# Allegro board C000PD020-3399PRO-DMEB-A-A01.brd (continued)
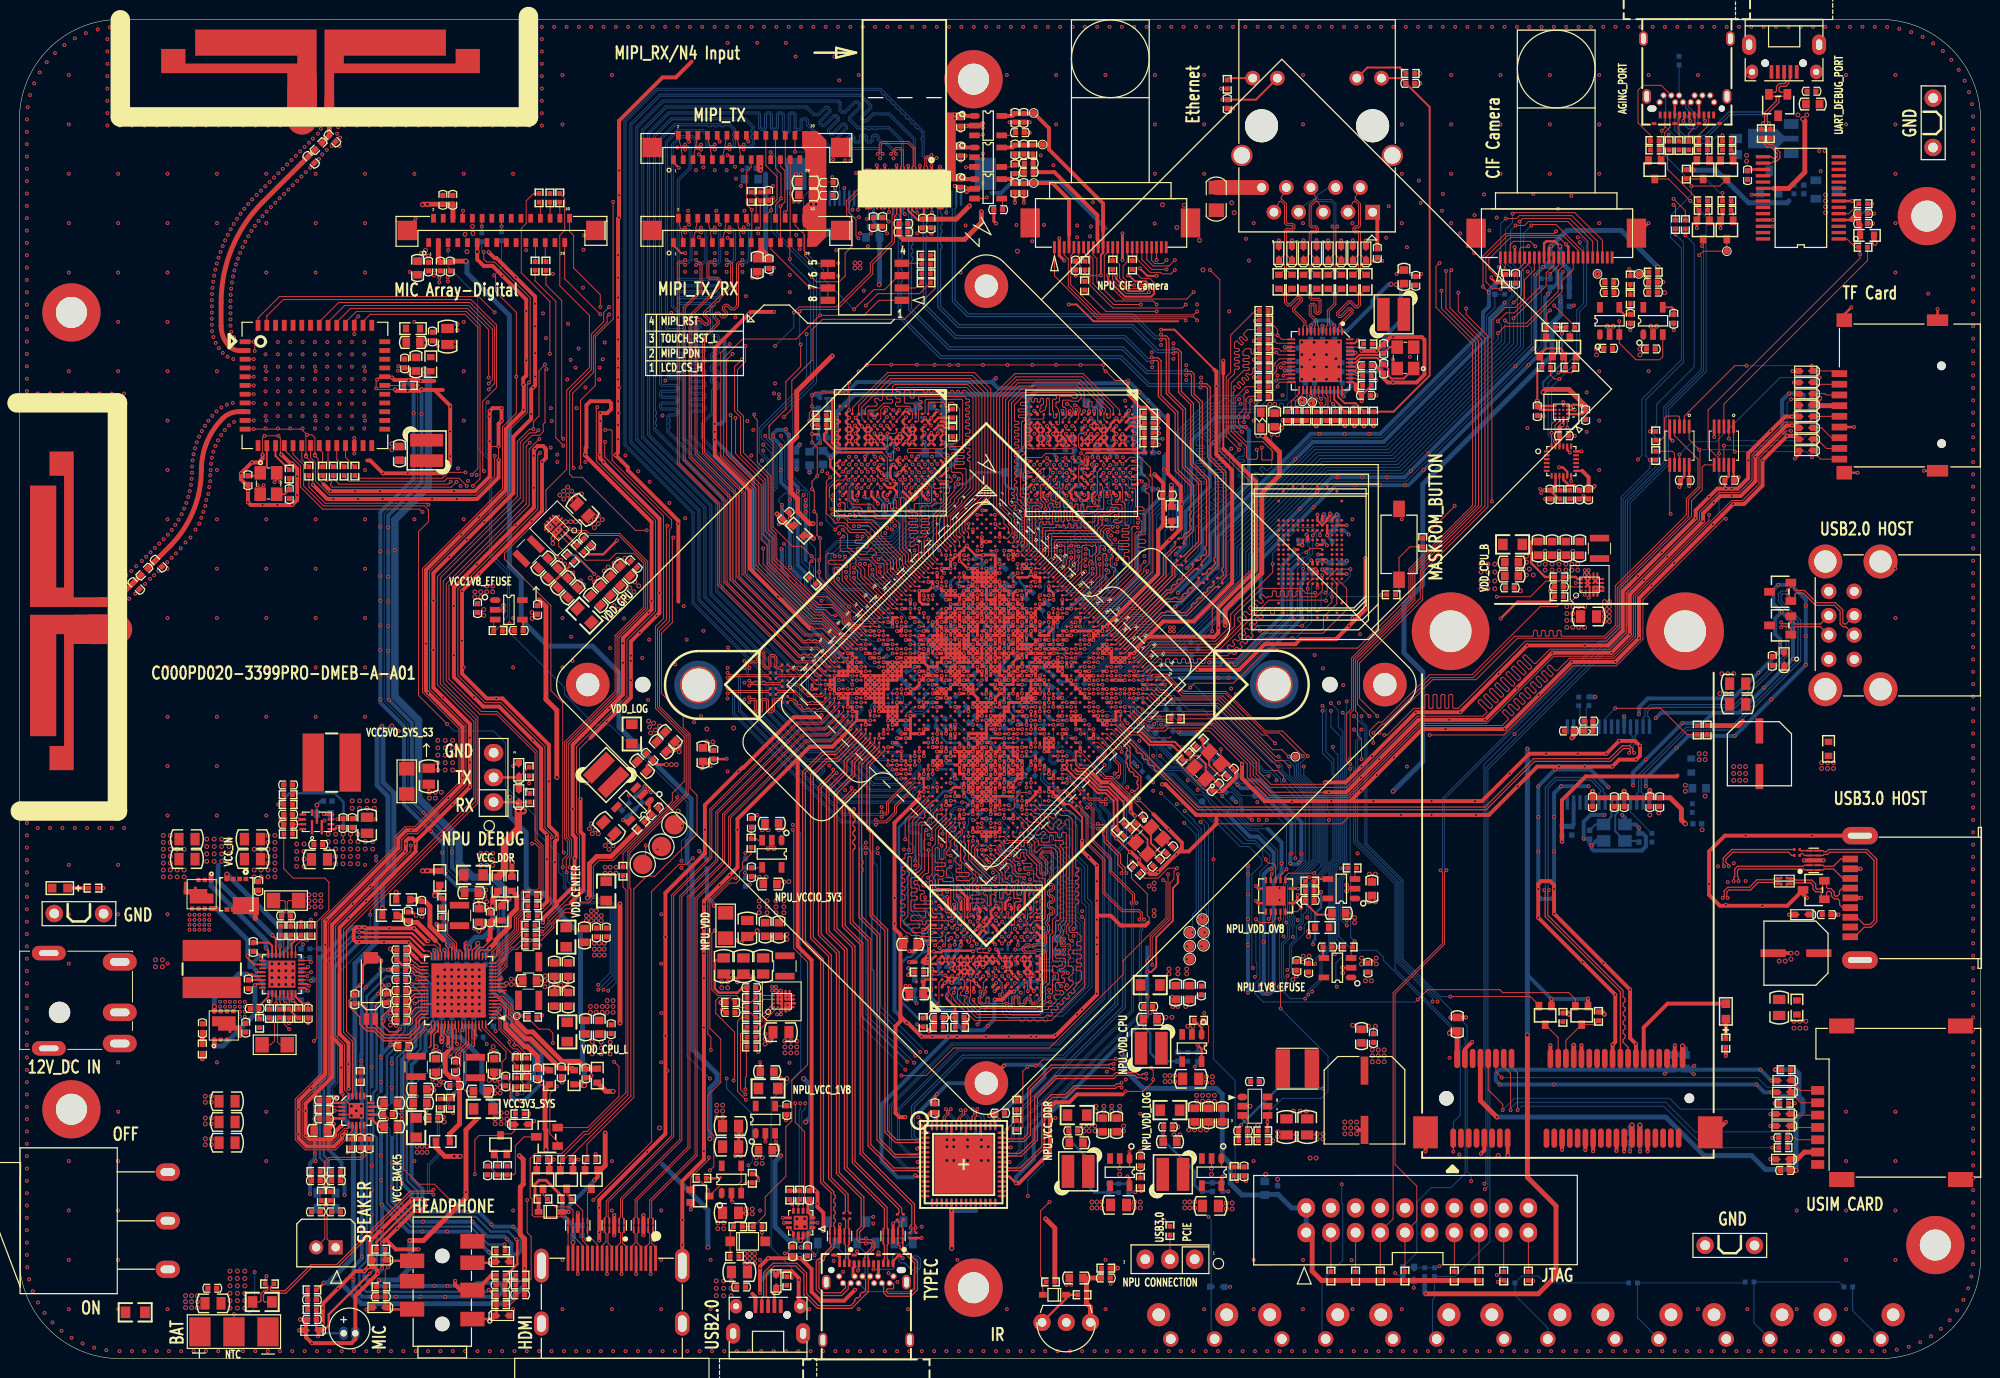
[diagram p0: board, top side]
## Routing (per net, layer and track width the routed paths; a pad name or vN(x,y) marks a point on that pad's centre or on a via; arc(x,y) is an arc through that point) (continued)
  TOP w0.406: C9004.2 v1(160.05,88.46) R9004.2 ; 116.15,44.87 115.85,44.56 113.31,44.56 112.29,45.58 110.87,45.58 ; v1(117.58,59.09) 117.93,59.09 121.08,55.94 123.16,55.94 ; v1(53.77,46.44) 53.77,46.49 54.28,47 v1(54.28,51.37) v1(54.28,53.91) 53.67,54.52 53.67,62.78 v1(52.84,63.62) 49.36,67.09 47.74,67.09 v1(46.78,68.05) 44.71,70.12 v1(44.71,72.37) v1(44.71,77.45) 44.71,79.35 v1(47.07,81.72) 52.93,87.58 v1(52.93,89.6) v1(52.93,92.9) 52.93,93.52 v1(53.04,93.62) 53.32,93.9 53.89,93.9 54.13,93.66 54.13,93.52 54.18,93.47 54.18,92.67 v1(53.77,92.26) 53.77,87.23 v1(52.71,86.17) v1(47.32,80.78) 45.54,79 v1(45.54,78.96) v1(45.54,73.88) 45.54,70.47 48.08,67.93 v1(49.07,67.93) 49.71,67.93 54.48,63.16 v1(54.48,59.4) 54.48,54.82 55.3,54.01 v1(55.3,53.6) 55.3,53.4 55.09,53.2 55.09,51.17 55.09,51.17 v1(55.09,51.06) 55.09,50.86 55.09,50.86 55.09,47.08 55.3,46.87 ; 42.7,100.59 v1(41.28,100.59) 41.22,100.65 41.02,100.65 40.97,100.69 v1(40.06,100.69) 38.59,100.69 v1(38.33,100.95) ; 122.96,101.76 123.16,101.56 v1(123.16,100.05) 123.16,93.03 124.79,91.4 124.79,79.82 120.83,75.86 117.68,75.86 116.1,74.28 ; C2120.2 58.63,28.9 v1(58.85,29.12) ; v1(114.78,55.84) v1(114.35,56.27) 114.35,57.14 v1(112.19,59.29) 111.33,59.29 v1(110.31,60.31) ; v1(53.87,44.87) 53.87,45.27 55.3,46.7 55.3,46.87 ; J2501.4 v1(189.46,50.41) ; v1(85.98,7.07) 84.86,5.95 82.42,5.95 81.51,6.87 81.51,9.21 80.39,10.32 v1(80.29,10.32) v1(77.04,10.32) 76.2,9.48 v1(76.2,9.31) v1(76.2,6.77) ; 117.68,88.82 117.68,88.9 ; 117.68,88.82 117.68,85.71 117.17,85.2 117.17,83.07 ; 117.68,88.82 C1224.2 117.68,88.9 ; 117.68,88.9 117.68,90.12 v1(116.8,91) ; 97.78,120.37 97.49,120.37 ; 97.78,120.37 U4801.2 ; 97.78,120.37 v1(97.46,120.05) ; C6507.2 v1(139.55,102.17) 140.3,101.42 C6500.2 v1(140.39,100.85) 140.79,100.44 v1(141.35,100.44) 143.76,100.44 144.59,101.27 144.59,104.83 144.3,105.12 v1(141.35,105.12) 141.07,105.12 140.39,104.43 C6501.2 140.3,104.35 v1(139.65,103.69) v1(138.1,103.69) ; 30.4,93.03 v1(30.4,92.92) ; J2501.11 v1(184.43,53.81) v1(177.62,53.81) 175.49,53.81 173.86,52.18 v1(173.86,48.83) 173.86,47.71 174.98,46.59 v1(179.35,46.59) 181.91,46.59 ED2501.3 183.53,47.8 v1(183.92,47.41) ; 37.72,12.25 38.74,11.24 v1(41.07,11.24) ; 37.72,12.25 v1(38.87,13.4) 40.67,15.2 v1(40.97,15.2) 41.31,15.2 41.72,15.61 41.72,16.18 v1(41.48,16.42) 40.41,16.42 v1(40.36,16.37) v1(36.25,12.25) 36.09,12.1 36.09,10.53 36.39,10.23 ED7000.2 36.39,9.9 v1(35.89,9.41) ; 37.72,12.25 v1(37.31,11.85) ; 80.09,61.73 80.09,42.43 81.51,41.01 81.51,17.68 v1(81.92,17.28) 82.12,17.07 v1(82.12,15.94) 82.12,15.61 82.73,15 v1(82.73,13.17) ; 80.09,61.73 81.31,62.95 83.64,62.95 v1(85.52,64.83) ; 80.09,61.73 73.89,55.54 v1(73.89,54.42) 73.89,50.56 v1(73.08,49.74) v1(72.05,48.72) 70.43,47.1 v1(70.43,46.76) v1(70.43,44.22) v1(70.43,41.68) v1(70.43,39.14) v1(70.43,34.06) v1(70.43,21.36) 70.43,20.48 68.21,18.25 v1(68.21,14.26) v1(68.21,11.72) J8200.21 ; J8300.35 v1(164.33,21.38) ; 90.65,35.2 v1(91.31,34.54) 91.41,34.54 v1(92.82,33.13) v1(93.94,33.13) v1(95.59,33.13) v1(96.48,33.13) v1(99.45,33.13) v1(104.1,33.13) v1(104.63,33.13) 106.45,33.13 v1(106.6,33.28) 106.71,33.28 v1(108.84,35.42) v1(109.34,35.91) 110.87,37.45 v1(110.87,37.55) v1(110.87,41.62) v1(110.87,42.6) v1(110.87,43.33) v1(110.87,45.16) 110.87,45.58 ; 90.65,35.2 90.65,34.71 90.14,34.2 90.14,25.26 90.55,24.85 v1(91.16,24.85) ; 90.65,35.2 90.65,43.65 90.04,44.26 v1(90.04,44.75) v1(90.04,47.4) 90.04,55.13 92.6,57.68 v1(92.6,57.86) ; 123.16,55.94 123.16,55.03 120.32,52.18 119.35,52.18 v1(119.05,51.88) ; 123.16,55.94 v1(142.16,55.94) v1(145.31,55.94) v1(149.89,55.94) 151.21,55.94 v1(154.15,58.89) 156.18,60.92 v1(158.42,60.92) v1(161.06,60.92) v1(163.91,60.92) 164.62,61.63 v1(166.34,61.63) 166.75,62.04 v1(166.75,63.05) 166.24,63.56 v1(164.62,63.56) v1(163.3,62.24) v1(160.35,62.24) v1(157.1,62.24) 155.37,62.24 v1(153.34,60.21) 150.5,57.36 v1(149.78,57.36) v1(145.31,57.36) v1(139.32,57.36) 136.94,57.36 ; v1(38.18,32.29) 38.84,32.29 C2143.2 ; 110.87,45.58 v1(110.87,47.1) v1(110.87,49.12) v1(110.87,50.75) v1(110.02,51.6) 109.35,52.27 v1(109.35,53.29) ; v1(49.3,93.86) 49.3,96.18 v1(49.61,96.48) v1(49.61,97.8) 48.69,97.8 v1(48.39,97.5) v1(48.39,96.94) v1(48.39,94.4) 48.39,90.76 46.89,89.26 v1(44.71,89.26) v1(37.09,89.26) v1(34.55,89.26) v1(32.01,89.26) 31.29,89.98 ; v1(35.89,9.41) v1(35.48,9) 34.57,9 v1(32.77,7.21) 31.22,5.65 v1(31.22,5.2) v1(31.22,3.62) ; v1(35.89,9.41) 36.5,9.41 36.8,9.1 36.8,8.8 v1(36.86,8.75) 34.56,6.45 v1(34.56,5.14) MIC7000.2 34.56,1.98 34.16,1.59 v1(32.64,1.59) v1(30.1,1.59) 29.49,2.2 29.49,2.89 ED7004.2 ; J8300.34 v1(163.93,32.3) 164.21,32.57 v1(164.21,37.45) v1(160.86,40.8) v1(156.29,45.38) v1(156.29,48.32) 156.29,48.83 156.59,49.13 157.51,49.13 157.91,48.73 v1(157.91,48.32) v1(157.91,45.78) v1(162.99,40.7) v1(165.74,37.96) 165.74,32.98 v1(166.34,32.37) 166.34,30.89 J8300.40 ; C2119.2 55.75,28.53 v2(55.84,28.45) ; C2501.2 v1(187.17,45.68) ; C4806.2 97.37,126.82 v1(97.41,126.86) ; 32.18,33.08 32.18,28.98 29.45,26.25 v1(29.45,25.49) v1(29.45,22.95) 29.85,22.54 32.08,22.54 32.49,22.95 32.49,23.33 33.09,23.94 v1(33.15,23.94) ; 32.18,33.08 32.18,44.66 v1(34.3,46.78) v1(36.1,48.58) v1(39.69,52.17) 39.76,52.24 v1(39.76,53) 39.76,53.25 40.03,53.52 40.46,53.52 40.77,53.21 ; 32.18,33.08 33.1,32.17 v1(33.1,29.94) 33.1,27.4 v1(33.25,27.24) ; J8300.53 v1(144.68,21.32) ; 123.88,93.63 127.25,90.26 127.25,81.16 123.37,77.28 v1(123.37,75.19) 123.37,74.69 122.91,74.23 122.76,74.23 122.71,74.28 v1(121.16,74.28) 116.1,74.28 ; v1(28.88,4.02) C7005.2 29.48,3.85 ED7004.2 ; ED7004.2 v1(28.78,2.91) ; J8300.9 150.73,21.43 v1(150.39,21.09) ; C1102.2 122.77,58.47 122.86,58.38 v1(123.47,58.38) 123.77,58.38 125.2,59.8 v1(125.2,60.34) C1103.1 124.34,61.2 Y1100.2 ; 116.1,74.28 115.04,73.21 v1(115.04,73.01) 115.04,72.95 v1(114.66,72.57) ; J7500.11 47.11,113.1 47.78,112.43 48.69,112.43 v1(49.71,111.42) 52.15,108.98 v1(52.15,107.8) v1(52.15,102.72) 52.15,101.15 51.84,100.85 v1(51.84,100.24) 51.89,100.19 v1(51.89,97.65) 51.89,97.51 50.06,95.68 50.06,89.38 v1(47.26,86.58) v1(45.47,84.78) 41.83,81.15 v1(41.83,73.57) 41.83,68.73 v1(42.07,68.5) 45.59,64.97 v1(45.59,62.3) v1(45.59,59.76) 45.59,59.15 v1(44.13,57.69) 40.81,54.37 v1(40.3,54.37) 39.81,54.37 38.99,53.55 38.99,52.53 v1(31.6,45.15) 31.47,45.01 v1(31.47,42.61) 31.47,29.28 v1(30.02,27.82) 28.74,26.54 v1(28.74,25.63) v1(28.74,23.09) 28.74,22.65 29.56,21.83 32.37,21.83 33.2,22.65 33.2,22.92 v1(33.22,22.95) 33.6,23.33 v1(33.6,23.33) ; 123.88,101.36 v1(123.88,102.68) ; C8311.2 137.8,23.53 v2(137.59,23.73) ; C4845.2 v1(97.35,123.77) ; v1(64.21,14.76) U8201.3 U8201.8 v1(64.21,12.69) ; v1(183.62,51.27) U2506.8 U2506.3 v1(185.65,51.27) ; 134.34,58.28 v1(134.75,58.28) 136.53,58.28 v1(138.05,59.8) v1(139.93,61.68) 139.93,61.68 143.97,65.72 v1(147.14,65.72) v1(150.82,65.72) v1(154.1,69) v1(157.72,72.63) v1(163.82,72.63) v1(165.71,74.52) 165.71,78.63 v1(167.18,80.1) v1(169.57,82.49) v1(173.24,86.16) 173.24,86.97 v1(174.34,88.08) 175.02,88.76 v1(176.2,88.76) 177.11,88.76 178.64,90.28 v1(178.64,92.82) 181.84,96.02 v1(182.4,96.02) 182.95,96.02 ED9102.2 ; C2510.2 v2(182.3,41.72) ; v2(53.72,28.33) 53.31,28.74 C2116.2 ; ED9103.2 v1(182.4,96.94) 181.69,96.94 v1(180.19,95.44) 177.88,93.13 v1(177.88,92.42) 177.88,90.59 176.8,89.51 v1(176.2,89.51) v1(175.59,89.51) 174.71,89.51 v1(173.86,88.66) 172.49,87.29 v1(172.49,86.48) v1(168.98,82.97) v1(166.54,80.53) 164.97,78.96 164.97,74.89 163.47,73.39 v1(161.06,73.39) v1(155.14,73.39) v1(152.22,70.47) v1(148.26,66.51) v1(143.69,66.51) v1(139.17,61.99) v1(138.1,60.92) 136.47,59.29 v1(134.34,59.29) ; C2209.2 v1(59.14,83.36) ; v1(61.21,12.69) U8202.8 U8202.3 v1(61.21,14.77) ; 97.51,126.87 U4800.2 98.85,126.87 99.09,127.11 v1(99.15,127.11) ; J8300.26 v1(160.73,32.25) ; C2135.2 v1(37.95,40.02) ; 113.51,27.19 108.84,27.19 108.03,26.38 106.6,26.38 106.03,25.8 106.03,21.23 102.84,18.04 v1(102.54,18.04) ; 117.17,83.07 v1(118.34,84.24) 119.51,85.41 119.51,89.74 118.19,91.06 118.19,97.09 ; 117.17,83.07 117.17,80.73 111.9,75.46 v1(111.9,75.33) ; v1(77.65,107.71) 75.26,107.71 v1(75.04,107.49) 71.55,104 v1(71.55,96.18) v1(71.55,95.36) v1(71.55,94.55) 71.55,92.92 75.16,89.31 75.16,81.29 v1(78.05,78.4) 81.31,75.14 v1(81.51,75.14) ; v1(44.83,7.99) 44.83,7.58 45.35,7.06 J7000.2 47.06,7.06 48.57,8.58 R7006.2 ; v1(42.04,42.96) 41.94,42.96 40.61,44.28 v1(40.61,44.28) v1(38.07,44.28) 35.61,44.28 v1(35.53,44.35) 35.51,44.38 v1(34.98,44.38) 34.69,44.38 34.4,44.09 34.4,43.1 34.67,42.84 34.95,42.84 v1(34.98,42.86) v1(37.52,42.86) 40.01,42.86 v1(40.06,42.81) 41.45,41.41 v1(41.88,41.41) ; J8300.21 v1(158.73,21.49) ; J8300.27 v1(161.13,21.47) ; J8300.4 148.73,31.83 v1(149.48,32.57) ; v1(91.47,39.47) 91.77,39.78 R3101.2 ; v1(91.26,43.33) 91.26,42.92 C3119.2 90.75,42.83 v1(90.75,43.33) ; C9002.2 v1(157.01,88.46) ; 40.77,53.21 v1(44.56,57.01) 46.36,58.8 v1(46.36,58.81) v1(46.36,61.35) v1(46.36,63.89) 46.36,65.29 v1(43.61,68.04) 42.6,69.05 v1(42.6,72.91) v1(42.6,77.99) 42.6,80.83 v1(44.23,82.47) v1(46.03,84.27) v1(47.83,86.06) 50.83,89.06 50.83,94.85 52.65,96.68 v1(52.65,97.19) 52.65,99.73 v1(52.86,99.93) 53.06,100.14 v1(53.06,101.05) v1(53.06,103.46) v1(53.06,106.23) v1(53.06,108.54) 53.06,109.28 v1(51.08,111.26) 49.1,113.24 48.9,113.24 v1(48.29,113.85) ; 40.77,53.21 v1(40.77,53) 40.77,52.17 v1(35.66,47.07) v1(33.87,45.27) 32.94,44.35 32.94,33.4 33.86,32.48 v1(33.86,30.29) v1(33.86,27.75) ; v1(147.25,35.1) C8304.2 v1(148.86,35.1) ; 136.94,57.36 v1(135,57.36) 128.14,57.36 125.81,59.7 v1(125.81,61.14) 125.81,61.22 ; 136.94,57.36 144.36,64.78 v1(146.74,64.78) v1(152.83,64.78) v1(156.34,68.29) v1(159.74,71.69) v1(164.21,71.69) v1(166.65,74.13) 166.65,78.24 v1(167.95,79.54) v1(170.28,81.87) v1(174.25,85.84) v1(176.34,87.93) 177.46,87.93 179.36,89.84 v1(179.36,92.43) v1(181.89,94.96) v1(182.6,94.96) 182.84,94.96 ED9101.2 ; v1(57.73,57.57) 57.73,54.21 58.04,53.91 58.04,48.22 56.72,46.9 ; U1000.3 v1(101.29,30.14) ; 55.3,46.87 57.12,48.7 v1(57.12,51.47) 57.23,51.57 57.23,53.6 56.92,53.91 v1(56.92,56.55) 56.92,63.16 v1(60.7,66.93) 62.1,68.34 v1(62.1,71.59) v1(62.1,73.62) 62.1,74.13 v1(64.74,76.77) 65.05,77.07 v1(65.05,77.98) 65.05,86.08 58.19,92.94 v1(58.19,93.03) 58.19,93.08 58.27,93.15 58.27,93.7 58.34,93.78 58.34,98.11 58.75,98.51 60.68,98.51 60.88,98.31 60.88,97.7 60.48,97.29 v1(59.77,97.29) v1(59.77,96.48) 59.77,93.08 v1(59.72,93.03) 59.72,92.95 59.77,92.9 59.77,92.62 v1(60.12,92.26) 60.12,92.16 65.86,86.42 v1(65.86,78.79) 65.86,76.74 v1(65.56,76.43) v1(63.83,74.71) 62.92,73.79 v1(62.92,72.34) v1(62.92,71.79) v1(62.92,69.8) 62.92,68.03 v1(60.44,65.55) 58.75,63.87 ; v1(91.57,40.79) 92.13,40.79 ; ED2500.2 v1(182.09,45.68) ; J8300.18 v1(157.53,32.24) ; v1(114.27,52.13) 114.38,52.13 v1(115.19,51.32) 115.19,51.01 v1(116.05,50.15) 116.36,49.85 116.97,49.85 v1(117.17,50.05) 119.61,52.49 119.61,53.1 v1(118.24,54.47) 116.68,56.03 ; 42.7,99.68 41.43,99.68 v1(41.38,99.73) 41.33,99.73 41.18,99.58 v1(39.95,99.58) 38.78,99.58 v1(38.63,99.73) ; 42.7,99.68 43.56,99.68 ; 42.7,99.68 44.32,98.05 v1(44.32,97.94) v1(44.32,95.4) v1(44.32,92.86) 44.32,91.91 43.51,91.1 v1(39.95,91.1) v1(37.41,91.1) 36.09,92.42 35.79,92.42 ; v1(49.3,92.47) 49.3,90.67 47.09,88.45 v1(45,88.45) v1(42.46,88.45) v1(37.38,88.45) v1(34.84,88.45) v1(32.3,88.45) 31.67,88.45 v1(30.22,89.91) 30.2,89.92 ; v1(106.39,57.86) 106.72,57.86 107.52,57.06 ; J8300.54 174.53,23.28 v1(175.59,24.34) ; v1(25.02,93.03) 25.02,92.62 24.61,92.21 v1(23.91,92.21) v1(22.78,91.09) 22.78,90.49 23.33,89.94 C6106.2 v1(23.52,89.29) v1(23.52,88.13) 23.8,87.84 v1(25.02,87.84) v1(26.54,87.84) v1(28.06,87.84) 28.58,88.35 v1(28.58,88.86) v1(28.58,90.79) 28.58,91.59 v1(28.06,92.1) 27.89,92.1 26.97,93.03 v1(26.95,93.03) ; C4821.2 96.49,120.52 96.34,120.66 v1(96.25,120.66) ; J8300.15 153.13,20.92 v2(153.16,20.89) ; J2601.7 80.19,5.54 v1(80.19,8.08) 80.19,8.29 79.49,8.99 v1(78.5,8.99) 78.23,8.99 ED2600.2 ; J8300.43 v1(167.53,21.33) ; v1(91.19,38.35) 91.19,37.93 C3108.2 91.58,37.14 v1(91.36,36.93) ; R3106.2 97.2,34.33 97.36,34.49 97.36,34.61 v1(97.56,34.81) 97.49,34.81 C3115.2 ; v1(57.46,15) U8200.3 U8200.8 ; v2(48.95,28.64) 48.84,28.74 C2102.2 ; v1(59.66,12.15) v1(59.66,12.98) v1(59.66,15.52) 59.66,16.32 v1(64.61,21.26) 66.47,23.13 v1(66.47,33.22) v1(66.47,43.38) 66.47,47.92 70.54,51.98 v1(70.54,54.42) 70.54,56.96 v1(73.99,60.41) 74.4,60.82 74.5,60.82 79.68,66 82.32,66 v1(82.52,66.2) ; 29.48,92.96 v1(29.48,92.83) ; J8300.37 v1(165.13,21.3) ; C2107.2 48.54,27.52 v2(48.95,27.93) ; v1(138.51,82.36) v1(138.51,77.28) 138.51,77.07 v1(136.81,75.38) 135.46,74.03 v1(134.67,74.03) 131.8,74.03 131.29,73.52 128.14,73.52 125.5,70.88 v1(121.23,70.88) ; J2501.7 v1(189.51,47.41) ; 67.8,77.88 67.8,86.21 62.61,91.4 62.61,91.7 v1(61.34,92.97) 61.6,93.23 v1(61.6,94.6) v1(61.6,96.07) v1(61.6,98.51) v1(61.6,100.75) v1(61.6,101.97) v1(61.6,102.88) v1(61.6,104.86) v1(61.6,107.15) v1(61.6,109.18) v1(61.6,111.21) v1(61.6,113.55) 61.6,117.31 v1(61.7,117.41) v1(61.7,119.72) v1(61.7,122.26) 61.7,127.37 66.17,131.84 67.54,131.84 69.17,133.46 ; J8300.29 v1(161.93,21.34) ; J8300.50 v1(170.33,32.24)
  TOP w0.508: R6513.2 v1(139.33,95.99) ; R6515.2 v1(137.37,95.99) ; v1(42.95,44.69) 43.16,44.48 R2114.2 ; R2042.1 v1(18.82,30.85) ; Y2100.3 36.85,41.24 37.16,40.93 v1(37.19,40.93) ; R6522.2 v1(133.45,95.97)
  TOP w3.048: ANT6101.2 10.08,75.04 ; ANT6103.2 29.08,127.47
  GND1 w0.102: 33.6,25.77 33.6,26.36 33.44,26.52 ; v1(155.98,111.52) v1(156.79,112.33)
  POWER1 w0.508: 146.13,44.16 146.63,43.65 148.77,43.65 149.28,44.16 149.28,44.26
  POWER2 w0.089: v1(109.14,66.14) 109.21,66.2 109.94,66.2 111.82,64.32 113.56,64.32 ; 112.9,63.66 110.7,63.66 v1(110.52,63.84) ; v1(107.31,67.05) 107.45,66.91 107.72,66.91 ; 108.35,64.33 107.77,63.75 107.14,63.75 105.57,65.32 105.57,65.66 105.13,66.1 104.67,66.1 104.64,66.14 v1(104.55,66.14)
  POWER2 w0.102: v1(125.17,68.36) 121.29,64.48 v1(121.23,64.48) 119.76,63 114.85,63 114.65,63.21 ; v1(123.37,70.06) 119.56,66.25 119,66.25 117.48,64.73 114.58,64.73 v1(114.33,64.98) 114.17,64.83 114.07,64.83 ; v1(116.56,102.02) 116.31,102.02 116.15,102.17 116.15,103.29 116.41,103.54 v1(116.51,103.54) ; 112.9,63.66 115.09,63.66 115.19,63.56 v1(115.24,63.56) 118.19,63.56 118.49,63.87 118.49,64.02 118.8,64.02 v1(119.25,64.48) 120.02,65.24 120.98,65.24 v1(124.69,68.95) ; v1(124.43,70.06) 120.22,65.85 119.24,65.85 117.71,64.32 113.56,64.32
  POWER2 w0.203: v1(123.37,70.06) 123.37,70.07 125.4,72.1 125.4,72.25 125.45,72.3 125.45,76.82 122.71,79.57 122.71,89.49 119.96,92.23 119.96,96.63 115.7,100.9 115.7,107.46 116,107.77 116,108.78 115.7,109.08 115.7,109.74 115.8,109.84 115.8,110.05 116.1,110.35 116.31,110.35 ; v1(124.69,68.95) 124.69,68.95 126.67,70.92 126.67,77.33 126.57,77.43 123.93,80.07 123.93,90 121.18,92.74 121.18,97.14 117.48,100.85 v1(117.48,104.3) 117.37,104.3 117.02,104.66 117.02,105.67 117.22,105.88 v1(117.48,105.88) 117.48,106.75 117.63,106.9 117.63,109.38 117.17,109.84 116.66,109.84 ; 116.66,109.84 116.66,109.99 116.31,110.35 ; 116.66,109.84 116.61,109.79 116.61,107.45 116.26,107.09 116.26,103.8 v1(116.51,103.54) ; v1(116.56,102.02) 116.56,100.75 120.47,96.84 120.47,92.44 123.22,89.7 123.22,79.78 125.96,77.03 125.96,71.58 124.44,70.06 v1(124.43,70.06) ; 116.31,110.35 v1(116.21,110.45) ; v1(125.17,68.36) 125.17,68.49 127.19,70.51 127.19,77.53 124.43,80.28 124.43,90.21 121.69,92.95 121.69,97.35 118.14,100.91 118.14,110.25 117.02,111.36 v1(117.02,111.42)
  S1 w0.089: 108.64,59.4 107.92,60.11 106.81,60.11 104.83,62.09 103.52,62.09 103.49,62.12 103.49,62.13 103.3,62.32 103.29,62.32 103.27,62.34 102.83,62.34 ; 109.04,59.8 v1(107.76,61.08) 107.5,60.82 106.66,60.82 105.47,62.01 v1(105.47,62.46) 105.43,62.49 104.52,62.49 104.1,62.92 v1(104.09,62.92) ; v1(90.81,77.17) 90.09,77.89 88.93,77.89 ; 102.83,62.34 v1(102.71,62.46) 102.83,62.34
  S1 w0.102: 147.75,112.74 147.75,111.72 147.55,111.52 146.43,111.52 146.33,111.62 ; v1(104.57,30.14) 103.83,30.14 v1(103.72,30.03) ; v1(82.52,77.99) 83.85,77.99 85.62,76.21 v1(85.93,76.21) ; v1(108.68,74.87) 108.71,74.84 109.25,74.84 110.49,76.08 111.91,76.08 112.29,76.46 112.5,76.46 ; v2(133.22,103.31) 133.22,103.21 v1(132.79,102.78) 128.98,102.78 127.19,100.99 v1(127.03,100.99) ; 88.93,77.89 88.82,77.89 87.71,79 85.57,79 84.76,79.82 84.15,79.82 83.13,80.83 83.13,83.67 v1(82.4,84.41) ; 108.64,59.4 108.94,59.09 108.94,54.93 113.11,50.76 114.73,50.76 115.04,51.06 115.04,51.57 114.48,52.13 v1(114.27,52.13) 112.55,52.13 109.35,55.33 109.35,59.5 109.04,59.8 ; v1(82.22,79.21) 82.52,79.21 83.34,78.4 84.05,78.4 85.06,77.38 v1(85.37,77.38) ; v1(130.89,51.98) 129.38,51.98 128.16,50.76 127.43,50.76 ; v2(131.95,104.58) v1(131.94,104.58) 131.55,104.58 130.35,103.39 129.77,103.39 129.57,103.19 128.24,103.19 127,101.94 126.62,101.94 126.54,101.86 ; v1(92.18,31.15) 91.77,31.15 91.57,30.95 91.57,30.85 91.36,30.64 ; v1(129.58,115.07) v1(130.93,115.07) ; v2(131.95,102.04) 131.73,102.26 131.39,102.26 131.29,102.16 131.29,98.74 129.46,96.91 129.46,95.97 129.44,95.95 129.44,95.59 129.46,95.57 v2(129.46,95.06) 129.46,94.85 129.26,94.65 128.55,94.65 128.45,94.75 128.45,96.68 129.87,98.11 129.87,99.02 v1(129.97,99.12) 130.28,99.43 130.28,100.24 129.77,100.75 129.77,100.85 v1(129.46,101.15) ; v2(122.76,29.02) v2(122.15,29.02) 121.54,29.02 119.81,27.29 116.97,27.29 116.76,27.49 v1(113.82,27.49) 113.61,27.29 112.6,27.29 111.89,28 v1(111.89,29.53) 111.89,30.27 112.46,30.85 v1(112.8,30.85) 113.92,30.85 114.94,31.86 122.35,31.86
  S1 w0.203: 97.21,116.44 77.39,116.44 ; 97.21,116.44 v1(97.36,116.6) ; 97.21,116.44 97.82,116.44 ; v1(75.01,116.7) 76.53,116.7 76.78,116.44
  S1 w0.406: 91.36,30.64 v1(91.36,30.54) 91.36,30.34 92.18,29.53 98.31,29.53 U1000.3 101.18,30.03 v1(103.72,30.03) ; v1(127.03,100.99) 123.01,96.97 123.01,84.23 v1(120.12,81.34) 118.59,81.34 112.58,75.33 v1(111.9,75.33) ; v1(89.28,115.78) v1(87.6,115.78) v1(86.49,115.78) v1(76.02,115.78) ; v1(58.19,93.03) v1(55.35,93.03) 54.66,93.71 v1(54.66,93.74) 53.34,93.74 52.93,93.33 v1(52.93,92.9) 53.57,92.26 v1(53.77,92.26) v1(55.35,92.26) v1(58.24,92.26) v1(60.12,92.26) 61.24,92.26 67.59,85.91 v1(67.79,85.91) 75.31,78.4 v1(78.05,78.4) 82.12,78.4 v1(82.52,77.99) ; v1(48.39,97.5) 48.69,97.8 v1(49.61,97.8) v1(54.69,97.8) v1(57.33,97.8) 57.73,97.8 ; 127.43,50.76 v1(126.42,50.76) 120.62,50.76 120.32,51.06 118.59,51.06 118.19,50.66 v1(118.19,49.85) v1(119.2,49.85) v1(126.42,49.85) 128.04,49.85 128.55,50.35 v1(128.85,50.35) 128.85,50.56 129.26,50.96 v1(129.87,50.96) v1(130.78,50.96) 130.85,50.89 131.5,50.89 131.9,51.3 v1(131.9,51.98) v1(130.89,51.98) ; v1(92.18,31.15) 92.79,30.54 97.46,30.54 98.02,31.1 108.59,31.1 115.55,38.06 125.6,38.06 126.01,38.47 v1(127.64,38.47) 127.94,38.77 128.85,38.77 v1(129.06,38.57) 129.06,37.94 128.67,37.55 v1(128.35,37.55) 127.74,37.55 127.64,37.65 v1(126.42,37.65) 126.01,37.25 v1(121.16,37.25) v1(118.62,37.25) v1(116.08,37.25) 115.88,37.25 108.77,30.14 v1(104.57,30.14) ; v1(116.8,91) 117.68,90.12 117.68,85.81 117.07,85.2 117.07,81.04 ; v1(80.09,89.27) 79.58,89.77 71.18,89.77 66.98,93.97 66.98,94.04 66.91,94.04 62.44,98.51 v1(61.6,98.51) 58.45,98.51 57.73,97.8 ; 57.73,97.8 58.24,97.29 v1(59.77,97.29) v1(61.65,97.29) 62.51,97.29 66.98,92.82 70.84,88.96 70.87,88.96 ; v1(59.72,93.03) 61.29,93.03 v1(61.34,92.97) 61.75,92.97 75.51,79.21 v1(82.22,79.21) ; 70.87,88.96 78.87,88.96 79.27,88.56 v1(79.27,88.35) ; 70.87,88.96 74.98,84.85 79.02,84.85 79.43,84.44 79.43,83.83 78.92,83.32 v1(78.41,83.32) 77.78,83.96 74.63,83.96 62.1,96.48 v1(59.77,96.48) v1(54.78,96.48) 53.01,96.48 49.48,92.95 49.48,92.64 v1(49.3,92.47) ; 117.07,81.04 112.5,76.46 ; 117.07,81.04 118.8,82.76 v1(119,82.76) 122.15,85.91 122.15,97.47 126.54,101.86 ; 146.33,111.62 v1(144.25,111.62) v1(143.18,111.62) v1(141.71,111.62) 125.22,111.62 125.02,111.42 v1(117.02,111.42) ; v1(49.61,96.48) 47.93,94.8 47.93,92.85 48.37,92.41 ; 122.35,31.86 122.66,31.86 122.96,32.17 129.28,32.17 134.66,37.55 138.93,37.55 145.84,44.46 161.38,44.46 169.51,52.59 176.81,52.59 177.62,51.78 v1(177.62,49.13) 177.62,48.12 176.2,46.7 v1(175.59,46.7) 168.07,46.7 162.69,41.31 147.14,41.31 140.44,34.61 136.17,34.61 130.58,29.02 v2(122.76,29.02) ; v1(117.22,97.49) v1(116.14,98.57) 115.32,99.4 87.63,99.4 85.09,96.86 85.09,94.12 v1(85.39,94.41) ; 63.63,100.75 68.2,96.18 v1(71.55,96.18) 74.6,96.18 v1(74.9,96.48) 75.01,96.38 78.16,96.38 v1(78.88,95.65) 79.07,95.46 79.07,95.16 v1(79.17,95.06) 79.17,94.75 78.87,94.45 77.95,94.45 77.55,94.85 v1(77.55,94.96) 76.94,95.57 v1(75.51,95.57) 75.31,95.36 v1(71.55,95.36) 67.89,95.36 63.32,99.93 v1(61.7,99.93) v1(58.24,99.93) v1(52.86,99.93) 52.15,99.93 v1(51.84,100.24) 51.84,100.85 52.04,101.05 v1(53.06,101.05) 53.87,101.05 54.18,100.75 v1(56.38,100.75) v1(59.66,100.75) v1(61.6,100.75) 63.63,100.75 ; 52.2,27.34 58.8,27.34 61.9,30.44 v1(79.23,30.44) 80.43,30.44 82.09,32.09 90.32,32.09 90.72,32.5 90.72,32.5 91.35,33.13 v1(92.82,33.13) v1(93.94,33.13) v1(95.59,33.13) v1(96.48,33.13) v1(99.45,33.13) v1(104.1,33.13) v1(104.63,33.13) 106.45,33.13 v1(106.6,33.28) 106.71,33.28 v1(108.84,35.42) v1(109.34,35.91) 110.87,37.45 v1(110.87,37.55) 111.28,37.55 114.63,40.9 v1(116.05,40.9) 116.15,41.01 117.07,41.01 117.37,40.7 117.37,40.13 117.03,39.79 v1(116.05,39.79) 115.14,39.79 115.04,39.69 114.63,39.69 113.52,38.58 113.52,38.47 107.47,32.42 91.72,32.42 90.63,31.33 82.4,31.33 80.7,29.63 v1(66.68,29.63) 62.1,29.63 59.06,26.58 52.35,26.58 52.25,26.48 v1(51.64,26.48) 50.93,26.48 50.54,26.87 50.54,27.51 50.83,27.8 51.74,27.8 52.2,27.34 ; v1(48.2,53.91) 45.37,53.91 44.45,53 v1(40.77,53) 40.77,53.1 40.36,53.5 40.06,53.5 39.76,53.21 v1(39.76,53) 39.76,52.49 40.17,52.08 v1(43.51,52.08) 44.83,52.08 45.75,53 v1(48.42,53) v1(52.76,53) 54.89,53 55.3,53.4 v1(55.3,53.6) 55.3,53.91 54.99,54.21 54.59,54.21 v1(54.28,53.91) v1(48.2,53.91)
  BOTTOM w0.102: 152.37,111.01 152.27,111.11 v1(152.27,111.16) 152.22,111.11 152.22,110.82 C4700.2 ; v1(79.27,88.35) 79.17,88.45 79.17,88.86 78.97,89.06 78.77,89.06 78.16,88.45 78.16,88.15 v1(78.46,87.84) ; 81,80.73 81,79.51 81.92,78.6 82.73,78.6 86.08,75.25 86.89,75.25 87.27,74.87 v1(87.54,74.87) ; C3120.2 96.6,48.44 ; C8201.2 C8200.2 58.29,12.25 v1(58.34,12.25) ; v1(116.66,62.04) 116.66,61.83 117.98,60.51 119.51,60.51 121.74,58.28 121.84,58.28 123.83,56.3 124.33,56.3 ; 36.25,28 36.09,27.85 36.09,22.46 36.25,22.31 ; v1(89.59,120.56) 89.43,120.56 89.39,120.51 J5000.16 ; 42.9,34.4 42.9,34.71 43.29,35.1 C2122.2 ; 49.81,46.39 49.81,46.9 49.4,47.31 49.4,48.02 48.49,48.93 46.15,48.93 45.85,49.24 ; 38.33,30.95 39.04,31.66 39.04,32.57 39.95,33.49 39.95,34.1 41.68,35.82 41.68,37.76 40.36,39.08 40.36,39.38 ; v1(85.93,76.21) 85.73,76.21 84.56,77.38 84.56,77.68 83.03,79.21 v1(82.22,79.21) 81.71,79.72 81.71,81.34 80.9,82.15 ; v1(86.67,76.08) 87.27,76.08 87.33,76.13 89.03,76.13 89.38,75.78 ; v1(86.67,76.08) 86.89,75.86 88.51,75.86 89.15,75.21 89.73,75.21 v1(89.84,75.33) ; v1(86.67,76.08) 86.67,76.38 85.67,77.38 v1(85.37,77.38) 85.37,77.48 82.3,80.55 v1(82.3,80.94) v1(82.3,82.17) 82.4,82.28 v1(82.4,84.41) 82.07,84.74 82.07,86.87 v1(81.79,87.15) 81.79,89.24 v1(81.56,89.46) 81.56,90.28 v1(82.6,91.32) ; v1(133.53,83.74) 133.45,83.82 133.45,84.87 133.22,85.1 132.61,85.1 132.44,84.92 v1(132.44,84.77) ; C9101.2 183.02,97.61 v1(182.7,97.29) ; C1500.2 141.8,8.55 v1(141.55,8.8) ; v1(87.87,13.88) 87.81,13.88 87.6,14.09 U2605.3 87.64,14.59 v1(87.87,14.59) ; v1(39.14,33.92) 39.34,34.12 39.34,34.4 41.07,36.13 41.07,36.94 40.69,37.32 39.29,37.32 C2127.2 ; v1(80.09,89.27) 80.19,89.37 80.7,89.37 81.1,88.96 81.1,88.56 v1(80.9,88.35) ; v1(84.25,75.65) 83.95,75.65 81.81,77.79 81.51,77.79 79.07,80.22 79.07,80.53 ; v1(41.63,34.5) 42.29,35.16 42.29,38.16 41.07,39.38 40.36,39.38 ; C4105.2 132.56,83.66 132.77,83.45 132.77,82.81 132.39,82.43 132.13,82.43 132,82.31 ; C3100.2 107,42.01 ; 37.21,27.49 36.8,27.09 36.8,23.53 37.21,23.12 ; C9731.2 128.14,18.86 v2(128.24,18.96) ; R1418.2 104.55,60.06 v1(104.55,60.62) ; v1(82.52,77.99) 82.32,78.19 81.71,78.19 80.39,79.51 80.39,80.33 ; v1(117.37,62.04) 118.44,60.97 119.64,60.97 121.62,58.99 122.86,58.99 v1(123.47,58.38) 123.47,58.18 v1(123.77,57.87) 124.89,56.75 124.89,56.35 126.72,54.52 128.45,54.52 ; R2041.1 27.76,34.54 v1(27.73,34.5) ; R1110.1 118.91,64.56 119,64.48 v1(119.25,64.48) ; C2046.2 29.04,42.88 29.18,42.73 v1(29.18,42.63) ; v1(49,33.69) 48.76,33.93 C2118.2 ; 153.59,109.74 153.59,109.43 v1(152.83,108.67) ; v1(119.1,62.03) 119.1,61.99 119.05,62.04 119.05,62.29 119.51,62.75 120.73,62.75 120.83,62.65 ; C9730.2 v2(129.46,18.45) ; 49.3,44.26 49.2,44.36 49.2,46.8 49,47 v2(48.08,47) 48.08,47.41 v2(47.88,47.61) 47.88,48.12 v2(47.98,48.22) ; 40.36,39.38 40.26,39.38 39.95,39.69 38.23,39.69 37.95,39.96 v1(37.95,40.02) 38.23,40.3 41.35,40.3 v2(43.05,38.59) ; ED1500.2 v1(143.48,7.28) ; C4102.2 132.13,80.79 132.13,81.42 132.87,82.15 v1(132.92,82.15) ; 88.39,120.12 J5000.18 ; 38.33,22.72 38.13,22.92 38.13,23.63 37.41,24.34 37.41,25.46 38.33,26.38 38.53,26.17 38.53,22.62 38.33,22.41 ; 153.39,110.04 v1(153.39,109.99) ; 89.39,115.88 89.29,115.78 v1(89.28,115.78) ; ED2101.2 v1(124.59,7.38) ; v1(107.71,94.03) 107.65,93.97